# KiCad board CM4IOUSB3.kicad_pcb (continued)
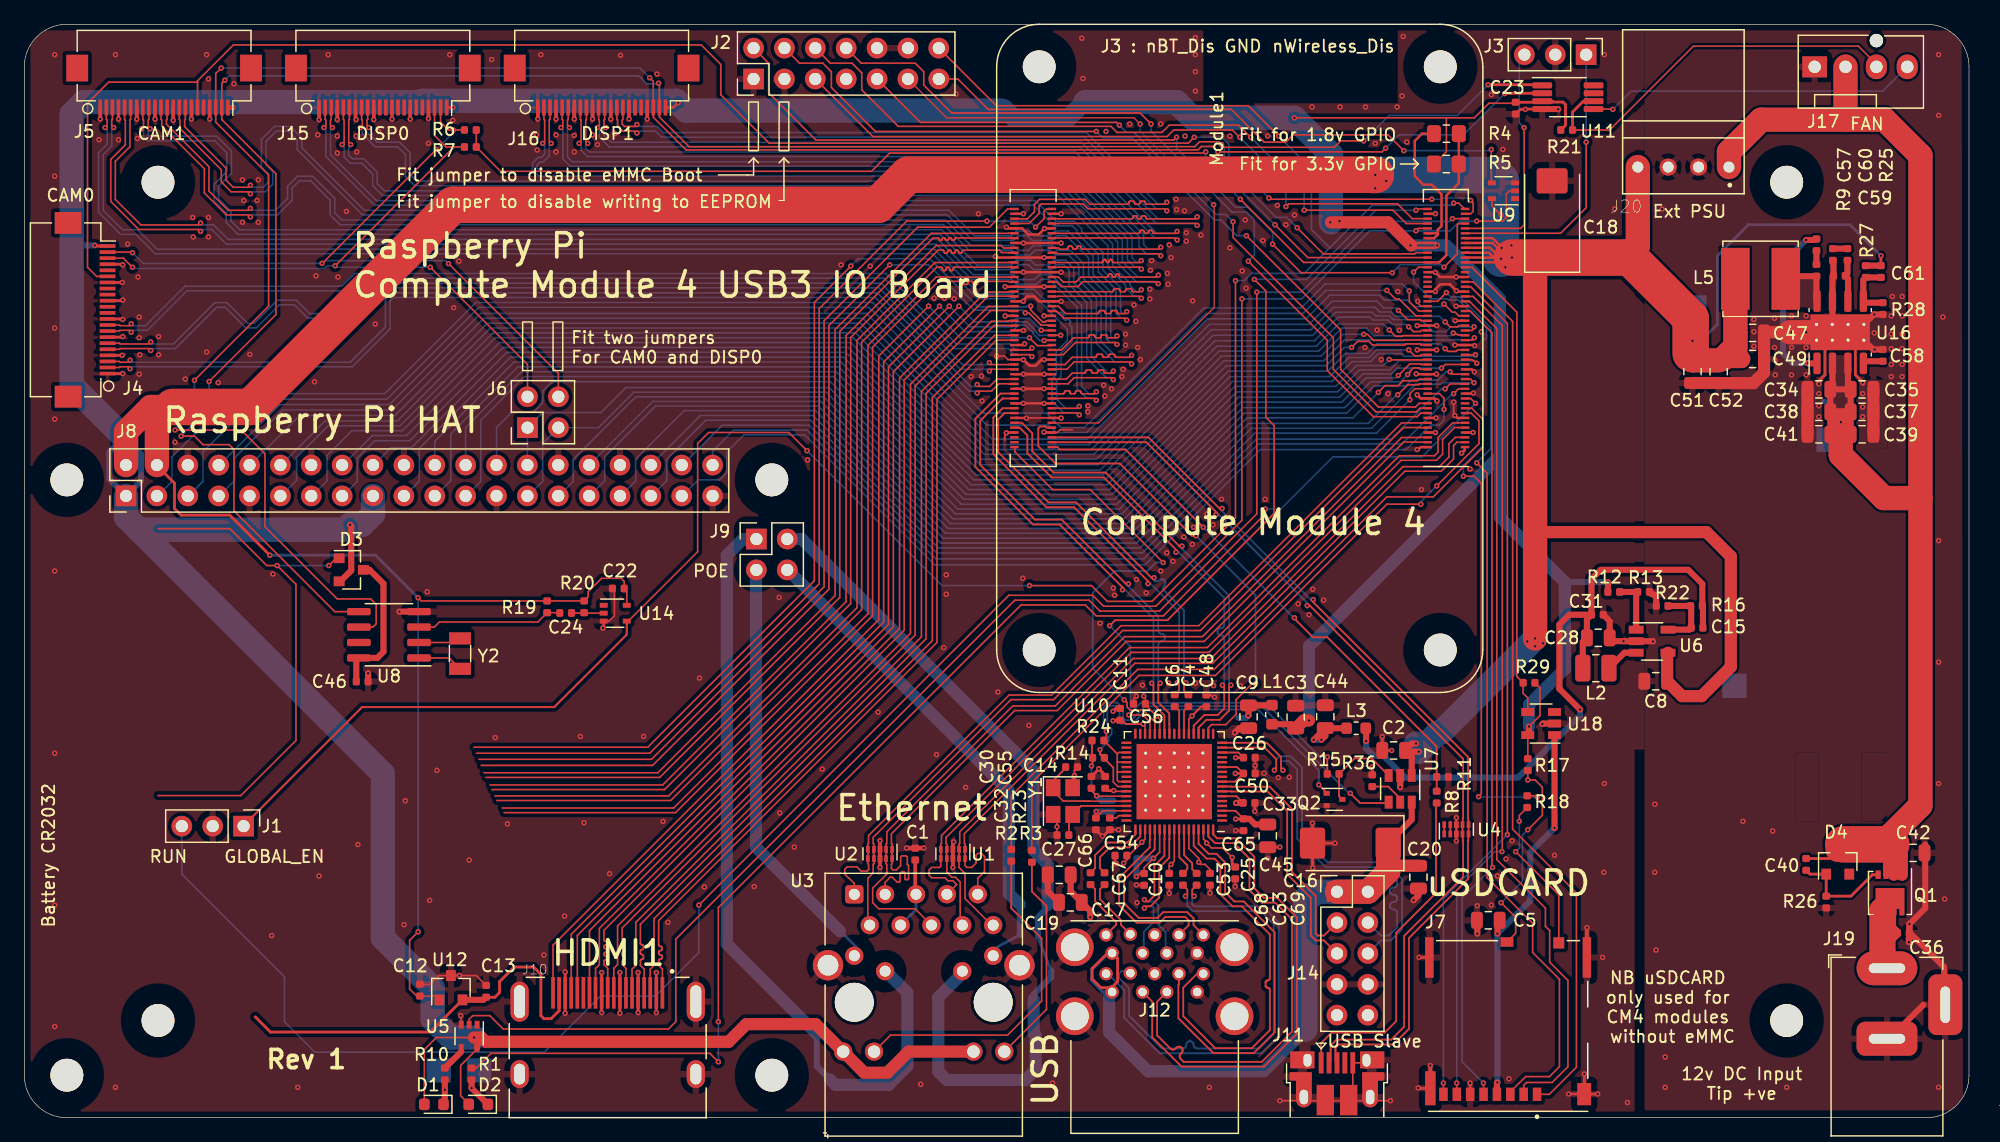
[diagram p0: board, top side]
## Nets (continued)
/xHCI-USB3/PD3_P: J14.5 U10.7
/xHCI-USB3/PD4_N: J14.4 U10.17
/xHCI-USB3/PD4_P: J14.6 U10.16
/xHCI-USB3/PEXTX_N: C6.1 U10.25
/xHCI-USB3/PEXTX_P: C4.1 U10.24
/xHCI-USB3/PWR: Q2.3 R15.2 U7.3
/xHCI-USB3/SSRX1_N: J12.B5 U10.56
/xHCI-USB3/SSRX1_P: J12.B6 U10.55
/xHCI-USB3/SSRX2_N: J12.A6 U10.65
/xHCI-USB3/SSRX2_P: J12.A5 U10.64
/xHCI-USB3/SSTX1_N: C67.1 J12.B8
/xHCI-USB3/SSTX1_P: C66.1 J12.B9
/xHCI-USB3/SSTX2_N: C69.1 J12.A9
/xHCI-USB3/SSTX2_P: C68.1 J12.A8
Net-(BT1-Pad1): D3.1
Net-(C1-Pad1): C1.1 U3.4 U3.5
Net-(C14-Pad1): C14.1 U10.47 Y1.1
Net-(C15-Pad1): C15.1 C28.1 C31.1 L2.2 L3.1 R16.1
Net-(C15-Pad2): C15.2 R16.2 R22.1 U6.5
Net-(C24-Pad1): C24.1 R20.1 U14.2
Net-(C27-Pad1): C27.1 U10.48 Y1.3
Net-(C36-Pad1): C36.1 J19.1 Q1.5
Net-(C40-Pad2): C40.2 D4.2 Q1.4 R26.1
Net-(C46-Pad1): C46.1 D3.3 U8.8
Net-(C57-Pad1): C57.1 R9.2
Net-(C57-Pad2): C57.2 U16.1
Net-(C58-Pad1): C58.1 U16.4
Net-(C59-Pad1): C59.1 R25.1 U16.6
Net-(C60-Pad1): C60.1 R25.2
Net-(C61-Pad2): C61.2 R27.2 R28.1 U16.5
Net-(D1-Pad1): D1.1 R10.1 TP5.1
Net-(D2-Pad1): D2.1 R1.1 TP3.1
Net-(J2-Pad13): J2.13 U9.4
Net-(J7-Pad9): J7.9 R18.2
Net-(J7-Pad10): J7.10 R17.2
Net-(J11-Pad1): J11.1 R8.1
Net-(J17-Pad3): J17.3 R21.1 U11.6
Net-(J17-Pad4): J17.4 U11.5
Net-(L2-Pad1): L2.1 U6.3
Net-(L5-Pad1): L5.1 R9.1 U16.8
Net-(Module1-Pad21): Module1.21 R1.2
Net-(R2-Pad1): R2.1 U3.16
Net-(R3-Pad1): R3.1 U3.18
Net-(R10-Pad2): R10.2 U5.4
Net-(R12-Pad2): R12.2 R13.1 U6.1
Net-(R23-Pad1): R23.1 U10.50
Net-(R36-Pad1): R36.1 U7.5
Net-(U4-Pad1): U4.1 U4.10
Net-(U4-Pad2): U4.2 U4.9
Net-(U8-Pad1): U8.1 Y2.2
Net-(U8-Pad2): U8.2 Y2.1

Pads without a net: J4 11 12 14 15 18 MP; J5 18 MP; J10 14; J11 4; J14 9 10; J15 11 12 14 15 17 18 MP; J16 17 18 MP; Module1 19 64 68 70 72 73 104 106; U5 1; U8 7; U9 1; U10 1 2 4 5 10 11 13 14 18 20 26 33 34 35 36 38 40 42 51; U11 7 8; U14 1; U18 3

## Via types
v1: diameter 0.45, hole 0.2, Top to Bottom, 740 vias

## Routing (per net, layer and track width the routed paths; a pad name or vN(x,y) marks a point on that pad's centre or on a via; arc(x,y) is an arc through that point)
/+3.3v: length 432.1
  Top w0.13: 117,82.3 v1(104.5,82.3) ; 117,82.3 119.3,82.3 120.5,83.5 122.62,83.5 ; 117,82.3 117,79.5 116,78.5 ; 124.28,35.8 124.7,35.39 124.7,33.1 v1(123.8,32.2) ; 36.56,1.14 35.9,1.8 35.9,4.3 37.11,5.51 ; U18.5 123.7,29.55 ; v1(37,6.6) 33.9,6.6 32.91,5.61 D1.2
  Top w0.2: v1(53.8,83.55) 53.39,83.15 J16.22 ; 116.1,71.6 116.3,71.8 116.1,72 114.3,72 114.1,71.8 114.1,71.7 114.2,71.6 116.1,71.6
  Top w0.23: J4.22 5.85,71.75 v1(5.8,71.8) ; R21.2 126.8,81.69 126.8,83.4 126.6,83.6 125.78,83.6 125.7,83.67 U11.3 ; J15.22 v1(35.25,83.15) ; C23.1 124.8,83.58
  Top w0.3: J5.22 v1(17.15,83.15)
  Top w0.5: L1.1 104.25,32.39 C3.1 ; 26,44.15 26.9,45.05 26.9,48.7 v1(26.8,48.8) ; U5.5 37.25,6.19 ; v1(123.8,32.2) 123.8,31.6 ; R12.1 v1(130.29,44.09)
  Top w1: v1(37,6.6) 37.6,6.6 37.95,6.25 57.95,6.25 59.4,7.7 65.11,7.7 U3.15 69.11,3.7 71,3.7 72.74,5.44 U3.17 ; C3.1 105.26,32.7 v1(105.7,32.7) ; 107.5,73.7 112.2,73.7 114.1,71.8
  Bottom w0.5: v1(5.8,71.8) 4.2,71.8 3.9,72.1 ; v1(130.29,44.09) 126.76,44.09 126.75,44.08 ; 7,54.8 8.2,56 9.6,54.6 9.6,52.41 J8.1 7,52.55 7,54.8
  Bottom w1: 121.4,54.5 121.4,49.42 126.75,44.08 126.75,36.95 123.8,34 v1(123.8,32.2) ; 121.4,54.5 105.7,38.8 v1(105.7,32.7) ; 121.4,54.5 121.4,67.4 117,71.8 114.1,71.8
  Bottom w1.5: 80.6,83.1 81.4,82.3 85.9,82.3 87.2,83.6
  Bottom w2: 9.4,48.4 8.37,49.43 J8.1 ; 9.4,48.4 26.4,48.4 v1(26.8,48.8) 27.8,48.8 28.69,49.69 J8.17 ; 9.4,48.4 29.5,28.3 29.5,14.8 33.6,10.7 33.6,8.1 35.1,6.6 v1(37,6.6) ; 32.39,83.6 24.2,83.6 ; 8.2,56 3.9,60.3 3.9,82.6 4.9,83.6 24.1,83.6 24.1,83.6 ; 32.6,83.6 32.71,83.7 53.65,83.7 v1(53.8,83.55) 54.45,82.9 80.4,82.9 ; 87.3,83.6 94.8,83.6 96.1,82.3 v1(104.5,82.3) 107.5,79.3 107.5,73.7
  vias: v1(107.45,73.7) v1(108.2,73.8) v1(114.05,71.8) v1(116.25,71.8)
/+5v: length 399.1
  Top w0.13: U9.5 120.75,75.05 v1(121.5,74.3) ; 33.85,10 32.56,10 ; v1(32.4,42.8) 32.66,42.54 R19.2 R20.2 46.4,42.87 46.4,43.3 47.5,44.4 49.1,44.4 49.36,44.14 C22.1 ; U14.5 49.57,43.35 ; 32.28,10.01 31.7,10.6 31.7,14.6 v1(32.4,15.3)
  Top w0.2: 121.4,70.8 120.6,71.6 118.5,71.6 ; 118.5,71.2 120.5,71.2 120.9,70.8 ; v1(122.4,70.8) 122,70.4 118.5,70.4 ; v1(122.4,70.8) 118.5,70.8 ; v1(122.4,70.8) 120.8,72.4 118.5,72.4 ; 118.5,72 120.8,72 122,70.8
  Top w0.23: 10.91,53.67 12.35,52.23 12.35,50.15 12.9,49.6 16.9,49.6 v1(20.2,46.3) ; C61.1 v1(152.75,70.95)
  Top w0.5: 114.15,28.18 114.15,29.68 C2.1 114.17,30.8 v1(114.5,30.8) ; C61.1 R27.1 ; v1(114.72,30.12) 113.71,30.12
  Top w1: 124.3,48.2 138.4,48.2 140.4,46.2 140.4,37.1 138,34.7 136.39,34.7 C8.1 135.16,38.2 135.24,38.28 ; C49.1 C47.1 140.78,65.09
  Top w1.5: C49.1 139.51,62.45
  Top w2: L5.2 140.78,63.47 139.75,62.45 ; C51.1 v1(137.25,63.95) ; 131.8,70.8 132.75,71.75 J20.4 ; C52.1 137.26,62.34 ; 124.3,70.8 v1(124.3,39.45) ; J8.2 8.37,56.47 10.4,58.5 12.2,58.5 10.91,57.21 J8.4
  Top w3: 111.2,77.6 110.88,77.6 110.86,77.62 72.72,77.62 70.24,75.14 35.26,75.14 18.62,58.5 12.2,58.5 ; 137.1,62.9 137.1,65.8 132.1,70.8 v1(122.4,70.8)
  Bottom w0.13: 32.4,42.85 v1(32.4,15.3)
  Bottom w0.23: v1(152.75,70.95) 150.2,73.5 141.85,73.5 139.3,70.95 139.3,65.3 137.95,63.95 v1(137.25,63.95) 137.25,65.05 137.35,65.15 137.35,66.75 ; v1(20.2,46.3) 28.9,46.3 v1(32.4,42.8)
  Bottom w2: v1(124.3,39.45) 116.55,31.7 116.3,31.7 v1(114.72,30.12) 114.72,30.57 v1(114.5,30.8)
  Bottom w3: 111.2,77.6 121,77.6 121.5,77.1 v1(121.5,74.3) v1(121.5,70.7)
  vias: v1(111.15,78.7) v1(111.15,77.6) v1(111.15,76.5) v1(112.05,78.3) v1(112.05,77.1) v1(121.55,71.6) v1(121.85,70) v1(122.35,71.8) v1(123.65,39.2) v1(124.3,38.8) v1(124.95,39.05)
/+12v: length 123.9
  Top w0.23: D4.1 148.49,21.34 C40.1
  Top w0.5: 150.26,58.15 150.26,56.3 148.64,56.3 ; 150.26,58.15 C35.1 C34.1 C38.1 C41.1 ; 150.26,58.15 148.64,58.15 ; U16.3 150.03,60.58 ; Q1.3 153.18,22.07 153.6,22.5 ; 148.76,62.09 148.76,59.83
  Top w1: Q1.1 154.47,21.62 153.6,22.5 ; 149.84,82.26 149.95,82.15 ; Q1.2 153.82,22.28
  Top w2: J20.1 140.25,79.5 142.9,82.15 153.05,82.15 156,79.2 156,51 ; 156,51 156,25.7 153.6,23.3 153.6,22.5 ; 156,51 153,51 149.45,54.55 v1(149.45,57.25) ; D4.1 149.65,22.5 ; J17.2 149.84,82.26
  Top w3: 153.6,22.5 149.65,22.5
  Bottom w0.23: v1(149.45,57.25) 149.45,56.8
/CM4_GPIO ( Ethernet, GPIO, SDCARD)/+1.8v: length 12.9
  Top w0.2: 116.3,72.8 116.3,73.1 116.6,73.4 116.6,76 115.8,76.8 115.1,76.8 114.4,77.5 114.4,80.4 115,81 R4.1 ; 116.3,72.8 116.3,72.7 116,72.4 115.42,72.4 ; 116.3,72.8 115.42,72.8
/xHCI-USB3/A1.05v: length 42.8
  Top w0.13: U10.63 95.81,22.16 96.62,21.35 v1(96.62,21.03) 96.8,20.85 97.15,20.85 97.55,20.45 C53.1 ; v1(92.1,34.7) 92.23,34.57 C56.1 ; C54.1 90.71,21.21 v1(90.45,20.95) ; 90.85,21.57 v1(91.95,22.68) 92.21,22.94 U10.54 ; U10.60 94.61,21.11 v1(94.35,20.85) 94.2,20.7 C63.1 ; U10.45 89.69,26.86 v1(89.62,26.93) 89.14,26.93 ; U10.29 93.41,32.81 v1(93.15,33.08) 92.23,33.99
  Top w0.147: C65.1 99.65,25.26 U10.3 ; U10.12 99.78,28.86 C50.1 99.63,27.66 U10.9 ; 99.67,24.6 v1(99.66,24.59)
  Top w0.23: v1(89.62,26.93) 89.12,26.93 88.93,27.12 ; C65.1 100.3,24.59 v1(99.66,24.59) ; v1(99.64,28.34) C50.1
  Top w0.5: v1(106.72,31.1) 107.04,31.42 C44.1 ; L3.2 107.06,32.06 ; 107.04,32.06 v1(106.09,31.1) ; C65.1 100.8,24.6 101.26,24.14 C45.1
  In2.Cu w1: 100.06,30.47 103.14,33.56 106.11,33.56 106.56,33.11 106.56,31.57 v1(106.09,31.1) v1(106.72,31.1)
  Bottom w0.5: v1(106.72,31.1) v1(106.09,31.1)
/xHCI-USB3/A3.3v: length 43.7
  Top w0.13: C10.1 91.75,20.1 v1(91.5,19.85) ; U10.46 88.26,26.46 v1(88.22,26.5) 87.8,26.93 ; U10.32 92.21,32.24 v1(92.05,32.4) ; 92.12,20.11 92.12,20.57 v1(92.9,21.35) 93.41,21.86 U10.57 ; v1(99.38,21.43) 98.6,22.2 97.68,22.2 v1(97.28,22.6) 97.28,22.68 97.01,22.94 U10.66 ; 96.65,33.67 96.07,33.1 v1(96.07,33.08) 95.81,32.81 U10.23 ; U10.49 88.75,25.26 C32.1
  Top w0.147: 96.54,33.56 96.81,33.83 C48.1 ; 96.83,33.83 v1(96.07,33.08) ; C32.1 88.16,25.16 v1(88.2,25.2) ; v1(92.05,32.4) 90.65,32.4 90.34,32.72 ; v1(89.57,32.67) 90.11,32.67 ; v1(87.8,28.95) 87.89,29.04 R14.1 ; R24.1 87.85,29.67 ; U10.6 99.73,26.46 C33.1 ; C26.1 99.88,30.06 U10.15
  Top w0.23: 90.11,32.67 C11.1 89.62,32.72 v1(89.57,32.67) ; C25.1 99.38,20.88 v1(99.38,21.43) ; 87.8,27.12 87.8,26.93 ; v1(99.66,29.64) C26.1
  Top w0.5: C33.1 99.71,25.91 v1(99.7,25.9) ; v1(100.7,33.1) 100.72,33.12 C9.1 102.62,33.94
  Bottom w0.147: v1(87.8,28.95) 87.8,26.93 v1(88.22,26.5)
  Bottom w0.5: v1(100.7,33.1) 100.5,32.9 99.9,32.9 ; v1(88.2,25.2) 89.6,25.2 ; 89.6,26.1 88.62,26.1 v1(88.22,26.5) ; v1(91.5,19.85) 91.5,21.35 v1(92.9,21.35)
/xHCI-USB3/VBUS: length 78.4
  Top w0.23: 89.5,10.75 89.95,11.2 89.95,13.1 J12.B1 ; 89.12,13.55 87.85,12.28 87.85,11.43 88.57,10.7 89.15,10.7 J12.A1
  Top w0.5: C19.1 86.09,18.64 C17.1 87.7,17.03 v1(87.7,16.5) ; C16.1 114.15,24.54 U7.6
  Top w1: 112.21,20.27 112.68,20.74 C20.1
  Top w2: C16.1 112.21,20.27 J14.2 J14.1
  In2.Cu w0.23: J12.A1 88.95,10.35 87.9,11.4 87.9,11.95 J12.B1 89.05,13.55 88.2,14.4 88.2,14.6 88.1,14.7 88.1,15.1 87.7,15.5 v1(87.7,16.5)
  Bottom w0.23: 89.2,13.55 87.82,12.18 87.82,11.25 88.72,10.35 J12.A1
  Bottom w1: J12.A1 89.25,10.1 89.25,7.03 92.45,3.82 101.97,3.82 105.4,7.25
  Bottom w2: J14.2 J14.1 106.3,18.6 106.02,18.32 105.69,18.32 105.4,18.03 105.4,7.25
GND: length 821.3
  Top w0.13: v1(80.8,56.37) 80.68,56.24 80.68,55.75 ; v1(118.95,2.85) 118.95,1.44 ; U12.3 37.19,11.7 38,10.88 ; v1(91.5,19.18) 91.54,19.13 C10.2 ; U14.3 48.11,40.88 48.55,41.31 48.55,43.4 ; 119,61.6 119.1,61.6 ; C63.2 v1(94.2,18.47) ; C53.2 v1(97.55,18.5) ; C54.2 89.74,21.01 v1(89.82,20.93) ; v1(119.22,59.64) 119.26,59.6 119.3,59.6 ; v1(35.9,8.4) 35.95,8.35 U5.3 ; 88.17,23.7 v1(88.7,23.18) 89.23,23.7 ; 115.42,66.8 114.89,66.8 114.64,67.05 v1(114.64,67.2) ; v1(80,62.69) 80.64,62.69 80.93,62.4 81.5,62.4 ; 110.22,4.52 J11.5 109.3,1.79 ; v1(82.45,57.58) 82.47,57.6 84.58,57.6 ; v1(35.8,11.7) 34.1,11.7 33.39,10.99 32.3,10.99 ; v1(116.2,63.2) 116.1,63.2 ; v1(112.4,1.4) v1(103.3,1.4) ; v1(97.93,34.61) 97.8,34.61 97.62,34.8 C48.2 ; 87.8,28.12 v1(88.4,28.72) 88.4,28.63 88.95,28.09 ; 84.58,56.4 85,56.4 85.22,56.62 86.25,56.62 ; v1(90.03,23.7) 90.02,23.7 R23.2 ; v1(91.5,34.7) 91.26,34.46 C56.2 ; C25.2 v1(99.62,19.03) ; v1(117.7,57.8) 117.6,57.9 v1(117.6,58.9) ; 82.2,63.6 v1(82.3,63.7)
  Top w0.147: C50.2 101.27,28.98 v1(101.26,28.99) 101.27,29 C26.2 ; C33.2 101.25,25.22 v1(101.24,25.21) ; C14.2 86.4,28.61 v1(86.4,28.16) 86.25,28.01 Y1.4 ; v1(99.66,23.64) 99.67,23.63 C65.2 ; C27.2 v1(84.97,23.95) 84.97,24.65
  Top w0.2: v1(116.18,61.2) 116.18,61.2 114.54,61.2 v1(114.52,61.23) ; 115.42,68 v1(116.1,68) 116.1,68.2 116.5,68.6 117.3,68.6 117.3,68.59 v1(117.83,68.06) 117.89,68 118.5,68 ; 84.6,72 85.29,72 v1(85.3,71.99) ; v1(83.9,66.01) 83.91,66 84.6,66 ; 81.5,61.2 v1(82.2,61.2) ; 84.6,73.2 83.95,73.2 v1(83.94,73.18) 83.45,72.7 82.6,72.7 82.1,73.2 80.9,73.2 v1(80.8,73.3) ; 81.5,60 v1(82.2,60) ; 84.6,67.2 85.29,67.2 v1(85.3,67.19) ; 84.58,68.4 v1(83.9,68.4) v1(80.7,68.4) ; v1(117.7,57.8) 117.9,57.6 118.5,57.6 ; 119,61.6 118.5,61.6 ; v1(85.3,57.59) 85.29,57.6 84.6,57.6 ; v1(80.8,56.37) 80.83,56.4 81.5,56.4 ; v1(119.3,61.4) 119.1,61.6 ; 118.5,56.4 v1(119.19,56.4) ; 84.6,69.6 85.29,69.6 v1(85.3,69.59) ; v1(82.2,74.41) 82.19,74.4 81.5,74.4 ; v1(114.6,63.2) v1(116.2,63.2) ; 81.5,66 v1(80.7,66) ; 84.6,56.4 83.93,56.4 v1(83.9,56.43) ; 81.5,72 v1(82.2,72) 84.58,72 ; v1(114.6,55) 114.7,55 114.9,55.2 115.42,55.2 ; v1(114.6,65.2) v1(116.2,65.2) ; 118.5,59.6 119.18,59.6 v1(119.22,59.64) ; 81.65,63.6 82.2,63.6 ; 84.58,69.6 v1(82.2,69.6) 81.5,69.6 ; 81.5,64.8 v1(82.2,64.8) ; 118.5,65.6 117.74,65.6 v1(117.73,65.61) ; v1(79.9,70.9) 80,70.8 v1(83.9,70.8) 84.6,70.8 ; 118.5,66.8 v1(117.8,66.8) ; v1(117.82,24.69) v1(117.82,22.79) ; v1(116.1,74.42) 116.08,74.4 115.42,74.4 ; v1(117.7,63.6) 119.28,63.6 v1(119.33,63.55) ; 81.5,67.2 v1(82.2,67.2) 82.2,67.3 82.5,67.6 83.1,67.6 83.5,67.2 84.58,67.2 ; 115.42,57.6 116.1,57.6 ; 118.32,54.75 118.5,54.93 118.5,55.2 ; 84.58,58.8 83.91,58.8 v1(83.9,58.79) ; 115.42,69.6 116.08,69.6 v1(116.1,69.58) 116.48,69.2 v1(117.8,69.2) 118.5,69.2 ; v1(82.45,57.58) 82.43,57.6 81.5,57.6 ; 84.58,61.2 v1(83.9,61.2) ; 84.6,74.4 85.29,74.4 v1(85.3,74.41) ; 81.5,58.8 83.9,58.8 ; v1(116.23,58.99) 116.02,59.2 114.9,59.2 v1(114.6,59.5) ; 81.5,62.4 82.19,62.4 v1(82.2,62.39) 82.49,62.1 82.5,62.1 82.7,61.9 83.2,61.9 83.7,62.4 v1(83.9,62.4) 84.6,62.4 ; 84.59,60.01 v1(83.9,60.01) ; 115.42,56.4 v1(116.1,56.4) ; U14.3 47.67,40.37
  Top w0.23: C33.2 101.24,25.9 v1(101.24,25.21) ; J15.13 v1(30.25,82.2) ; v1(114.68,2.45) 114.71,2.43 J7.11 ; v1(82.2,60) 83.89,60 v1(83.9,60.01) ; v1(111.73,31.37) C2.2 112.49,30.23 v1(112.5,30.22) ; v1(86.4,28.16) 86.4,27.31 Y1.4 ; v1(52,8.65) v1(52,11.95) ; v1(47.5,8.65) v1(47.5,11.95) ; 151.3,60.35 151.3,60.5 150.65,61.15 150.65,63.4 ; 148.15,63.4 148.15,61.15 147.55,60.55 147.55,60.35 ; C11.2 89.81,33.69 v1(89.57,33.45) ; C23.2 123.09,83 v1(123.5,83) 123.53,83.03 U11.4 ; v1(8.1,70.2) 8.05,70.25 J4.19 ; J7.11 129.44,1.94 v1(129.45,1.95) ; v1(128.35,3.6) 128.35,1.95 ; v1(49,8.6) v1(49,11.95) ; C55.2 88.93,28.2 v1(88.4,28.72) 88.4,28.69 C30.2 87.8,28.12 ; v1(127.05,1.95) 128.33,1.95 ; J7.6 118.96,2.84 v1(118.95,2.85) ; J4.1 v1(8.1,61.25) ; C16.2 105.99,24.24 v1(105.97,24.25) ; C16.2 v1(107.82,22.6) ; C16.2 105.99,20.59 v1(106,20.57) ; J4.16 v1(8.05,68.75) ; 110.9,28.22 v1(110.9,28.88) ; J4.4 v1(8.05,62.75) ; J7.11 114.76,13.19 v1(114.75,13.2) ; R23.2 88.78,23.18 v1(88.7,23.18) 88.69,23.18 C32.2 ; v1(103.3,22.28) 102.31,22.28 ; 84.97,24.65 Y1.2 ; v1(82.2,61.2) v1(83.9,61.2) ; J5.4 v1(7.75,82.2) ; J4.7 8.05,64.25 ; J4.13 8.05,67.25 ; J4.10 8.05,65.75 ; v1(50.5,8.65) v1(50.5,11.95) ; v1(44.5,8.6) v1(44.5,12)
  Top w0.3: 115.68,1.93 v1(115.68,4.3) ; v1(72.6,22.2) 72.62,22.19 C1.2 73.72,22.19 73.74,22.2 v1(74,22.2) ; J5.16 v1(13.75,82.2) ; J5.1 v1(6.25,82.2) ; J15.4 v1(25.75,82.16) ; v1(76.4,20.6) U1.8 U1.3 76.4,22.64 v1(76.47,22.71) ; J16.4 v1(43.75,82.2) ; J15.10 v1(28.75,82.16) ; J15.7 27.25,82.21 ; J16.10 v1(46.75,82.2) ; J5.19 v1(15.25,82.2) ; J16.1 v1(42.25,82.2) ; J16.19 v1(51.25,82.2) ; v1(70.4,20.6) U2.8 v1(70.4,22.8) ; J15.19 v1(33.25,82.24) ; J5.7 v1(9.25,82.2) ; 128.56,12.69 v1(128.56,15.65) ; J16.13 v1(48.25,82.2) ; J16.7 v1(45.25,82.2) ; J5.13 v1(12.25,82.1) ; J16.16 v1(49.75,82.2) ; J15.1 v1(24.25,82.15) ; J15.16 v1(31.75,82.2) ; J5.10 v1(10.75,82.2)
  Top w0.5: C9.2 99.96,32.06 v1(99.59,31.7) ; 148.76,65.28 148.76,69.22 ; C17.2 84.21,18.64 C19.2 ; v1(134,39.2) 133.97,39.22 U6.2 v1(131.57,39.22) 130.71,39.22 C28.2 130.44,40.87 C31.2 ; C59.2 148.85,70.52 ; U8.4 v1(30.86,41.66) ; v1(155.05,14.45) 155.05,14.75 155.09,14.78 C36.2 155.09,15.62 155.1,15.63 v1(155.1,15.95) 156.4,17.25 156.4,22.5 ; C46.2 v1(28.28,36.58) ; R22.2 134.26,42.83 134,43.1 133.88,43.1 R13.2 ; 113.2,28.18 v1(113.2,27.2) ; 157.95,9.3 157.95,12.4 155.15,15.2 ; v1(119.55,15.15) 119.55,16.21 ; 156.25,9.3 153.25,6.3 ; v1(126.2,83) 126.18,83.03 U11.4 ; R28.2 v1(152.22,66.11) 152.16,66.11 U16.9 ; U18.2 124.94,32.44 v1(124.9,32.4) ; C58.2 v1(152.24,63.23) 152.12,63.23 U16.9 ; v1(114.3,17.9) 114.7,18.3 C20.2
  Top w1: 143.19,64.65 v1(144.05,64.65) 145.25,64.65 ; C51.2 139.39,60.47 ; C34.2 C41.2 ; C52.2 142.26,60.46 143.14,61.34 C49.2 C47.2 ; C35.2 C39.2
  Top w2: U16.9 145.25,64.65
  In1.Cu w0.13: 30,55.2 29.95,55.15 29.95,49.85 29.9,49.8 ; 30,55.2 32.5,55.2 ; 30,55.2 27.4,55.2 ; 50.25,52.4 55.36,52.4 56.63,51.13 ; 50.25,52.4 42.66,52.4 ; 50.25,52.4 50.25,52.45 50.35,52.55 ; 14.7,52.4 14.7,49.9 14.6,49.8 ; 14.6,49.8 17.3,49.8 ; 14.6,49.8 12.2,49.8 ; 17.3,49.8 17.25,49.85 17.25,55.15 17.2,55.2 ; 17.3,49.8 19.9,49.8 ; 45.2,49.8 47.7,49.8 ; 45.2,49.8 45.25,49.85 45.25,55.15 45.2,55.2 ; 45.2,49.8 42.7,49.8 ; 47.7,49.8 47.75,49.85 47.75,55.15 47.7,55.2 ; 47.7,49.8 50.4,49.8 ; 35,49.8 35.05,49.85 35.05,55.15 35.1,55.2 ; 35,49.8 32.5,49.8 ; 35,49.8 37.6,49.8 ; 52.7,55.2 50.3,55.2 ; 52.7,55.2 52.85,55.05 52.85,49.85 52.9,49.8 ; 52.7,55.2 55.3,55.2 ; 50.3,55.2 50.35,55.15 50.35,49.85 50.4,49.8 ; 50.3,55.2 47.7,55.2 ; 19.9,55.2 19.85,55.15 19.85,49.85 19.9,49.8 ; 19.9,55.2 22.4,55.2 ; 19.9,55.2 17.2,55.2 ; 40.1,49.8 42.7,49.8 ; 40.1,49.8 40.1,55.2 ; 40.1,49.8 37.6,49.8 ; 42.7,49.8 42.66,49.84 42.66,52.4 ; 49.01,53.67 49.01,52.47 49.08,52.4 ; 42.66,52.4 27.45,52.4 27.4,52.45 23.6,52.4 ; 42.66,52.4 42.66,55.14 42.6,55.2 ; 42.66,52.4 43.93,53.67 ; 22.4,55.2 22.35,55.15 22.35,52.45 ; 22.4,55.2 24.9,55.2 ; 18.6,52.4 18.53,52.33 18.53,51.13 ; 35.1,55.2 37.7,55.2 ; 35.1,55.2 32.5,55.2 ; 27.4,49.8 27.4,55.2 ; 27.4,49.8 24.8,49.8 ; 27.4,49.8 29.9,49.8 ; 17.2,55.2 12.2,55.2 ; 19.9,49.8 22.4,49.8 ; 42.6,55.2 40.1,55.2 ; 42.6,55.2 45.2,55.2 ; 40.1,55.2 37.7,55.2 ; 32.5,55.2 32.55,55.15 32.55,49.85 32.5,49.8 ; 23.6,52.4 23.6,52.46 23.61,52.47 23.61,53.67 ; 23.6,52.4 7,52.4 ; 37.7,55.2 37.6,55.1 37.6,49.8 ; 12.2,55.2 7.4,55.2 7,54.8 7,52.4 ; 12.2,55.2 12.15,55.15 12.15,49.85 12.2,49.8 ; 27.4,55.2 24.9,55.2 ; 12.2,49.8 7.2,49.8 7,50 7,52.4 ; 22.35,52.45 22.4,52.4 ; 22.35,52.45 22.35,49.85 22.4,49.8 ; 47.7,55.2 45.2,55.2 ; 24.8,49.8 24.9,49.9 24.9,55.2 ; 24.8,49.8 22.4,49.8 ; 52.9,49.8 57.9,49.8 58.1,50 58.1,54.6 57.5,55.2 55.3,55.2 ; 52.9,49.8 50.4,49.8 ; 55.3,55.2 55.3,52.4 ; 29.9,49.8 32.5,49.8 ; 14.72,52.4 13.45,53.67 ; 31.3,52.4 31.23,52.47 31.23,53.67 ; 38.85,51.13 40.12,52.4 ; 39.95,52.4 40.1,52.55
  In1.Cu w0.2: 93,9.7 J12.B7
  In1.Cu w0.23: J2.12 73.94,86.8 ; 73.94,86.8 73.94,84.84 ; 73.94,86.8 76,86.8
  In1.Cu w0.5: J12.B4 99.09,13.55 ; J2.7 J2.10
  In2.Cu w0.13: 38.8,52.4 38.8,52.38 38.85,52.33 ; 38.8,52.4 38.9,52.4 ; 38.8,52.4 37.5,52.4 ; 12.2,55.05 12.25,55.1 14.7,55.1 ; 12.2,55.05 13.45,53.8 ; 12.2,55.05 12.2,52.47 12.15,52.42 ; 45.15,50.05 45.15,55.05 45.2,55.1 ; 35.1,52.4 35.05,52.35 35.05,50.15 35.2,50 ; 35.1,52.4 34.95,52.4 ; 35.1,52.4 37.5,52.4 ; 24.8,50 22.3,50 ; 24.8,50 27.5,50 ; 24.8,50 24.8,52.4 ; 22.3,50 22.3,52.4 ; 22.3,50 19.8,50 ; 17.3,55.1 14.7,55.1 ; 17.3,55.1 19.8,55.1 ; 17.3,55.1 17.25,55.05 17.25,52.65 17.2,52.6 17.2,50.1 17.3,50 ; 14.7,55.1 14.72,55.08 14.72,52.42 ; 34.95,52.4 34.95,52.75 35.1,52.9 35.1,55.1 ; 34.95,52.4 32.5,52.4 ; 34.95,52.4 35,52.35 ; 27.4,52.4 27.45,52.45 27.45,55.05 27.5,55.1 ; 42.65,52.4 55.9,52.4 56,52.5 57.6,52.5 58,52.9 58,54.5 57.4,55.1 55.3,55.1 ; 42.65,52.4 42.65,55.05 42.7,55.1 ; 42.65,52.4 38.9,52.4 ; 42.65,52.4 42.65,50.05 42.7,50 ; 31.2,52.4 31.2,52.5 31.23,52.53 31.23,53.67 ; 31.2,52.4 30,52.4 ; 31.2,52.4 32.5,52.4 ; 19.8,55.1 22.4,55.1 ; 19.8,55.1 19.8,52.4 ; 37.5,52.4 37.5,52.3 37.55,52.25 37.55,50.15 37.7,50 ; 37.5,52.4 37.5,55.1 ; 45.2,55.1 42.7,55.1 ; 45.2,55.1 47.8,55.1 ; 42.7,55.1 40,55.1 ; 30.1,50 30,50.1 30,52.4 ; 30.1,50 32.6,50 ; 30.1,50 27.5,50 ; 15.2,52.4 14.7,52.4 14.3,52.8 14.3,52.82 13.45,53.67 ; 15.2,52.4 19.8,52.4 ; 15.2,52.4 15.18,52.42 14.72,52.42 ; 19.8,52.4 19.8,50 ; 19.8,52.4 22.3,52.4 ; 40,55.1 37.5,55.1 ; 40,55.1 40.1,55 40.1,50.2 40.2,50.1 40.2,50 ; 37.5,55.1 35.1,55.1 ; 23.68,52.4 23.61,52.47 23.61,53.67 ; 14.7,50 12.2,50 12.15,50.05 12.15,52.42 ; 14.7,50 17.3,50 ; 14.7,50 14.72,50.02 14.72,52.42 ; 19.8,50 17.3,50 ; 50.3,55.1 50.3,50 ; 50.3,55.1 47.8,55.1 ; 50.3,55.1 52.8,55.1 ; 32.5,52.4 32.5,55.1 ; 32.5,52.4 32.5,50.1 32.6,50 ; 32.5,55.1 35.1,55.1 ; 32.5,55.1 30,55.1 ; 12.15,52.42 14.72,52.42 ; 52.9,50 50.3,50 ; 52.9,50 52.85,50.05 52.85,55.05 52.8,55.1 ; 52.9,50 55.3,50 55.3,52.55 55.35,52.6 55.35,55.05 55.3,55.1 ; 50.3,50 47.8,50 ; 22.4,52.4 22.4,55.1 ; 30,52.4 30,55.1 ; 30,52.4 24.9,52.4 ; 24.9,52.4 24.9,55.1 ; 24.9,52.4 24.8,52.4 ; 43.9,52.4 43.9,52.44 43.93,52.47 43.93,53.67 ; 47.8,55.1 47.8,50 ; 22.4,55.1 24.9,55.1 ; 27.35,52.4 27.4,52.35 27.4,50.1 27.5,50 ; 32.6,50 35.2,50 ; 22.3,52.4 24.8,52.4 ; 55.36,52.4 56.63,51.13 ; 42.7,50 47.8,50 ; 42.7,50 40.2,50 ; 18.53,51.13 18.53,52.33 18.6,52.4 ; 52.8,55.1 55.3,55.1 ; 40.2,50 37.7,50 ; 37.7,50 35.2,50 ; 48.9,52.4 49.01,52.51 49.01,53.67 ; 27.5,55.1 24.9,55.1 ; 27.5,55.1 30,55.1 ; 38.9,52.4 38.85,52.35 38.85,51.13
  In2.Cu w0.2: 93,9.5 J12.A7 J12.B7
  In2.Cu w0.23: 74,86.7 74,84.6 ; 74,86.7 73.8,86.9 73.8,86.94 J2.12 ; 74,86.7 74.2,86.7 74.3,86.8 75.9,86.8
  In2.Cu w0.5: J2.10 J2.7 ; J12.B4 99.09,13.55
  vias: v1(2.5,87.5) v1(2.5,77.5) v1(2.5,65) v1(2.5,57.5) v1(2.5,45) v1(2.5,30) v1(2.5,17.5) v1(2.5,7.5) v1(6.15,80.5) v1(7.5,87.5) v1(7.5,2.5) v1(7.75,80.5) v1(8.1,67.3) v1(8.1,65.7) v1(8.1,64.3) v1(8.5,71.9) v1(9.3,80.6) v1(9.35,69.2) v1(9.45,65.9) v1(9.45,64.2) v1(9.5,62.8) v1(9.45,61.2) v1(11.05,64.3) v1(11.05,62.8) v1(12.4,55.6) v1(13.25,60.8) v1(13.85,74.1) v1(13.9,72.5) v1(15,87.5) v1(15,63.03) v1(15.15,85.5) v1(15.15,74.1) v1(15.15,72.5) v1(15.95,60.5) v1(17.25,85.1) v1(17.95,77.2) v1(18.05,75.5) v1(17.95,73.7) v1(18.55,62.83) v1(19.25,77.2) v1(19.15,75.5) v1(19.25,73.7) v1(20.35,14.99) v1(20.45,44.75) v1(22.5,2.5) v1(23.88,60.58) v1(24,69.3) v1(24.15,80.9) v1(24.25,19.9) v1(25,87.5) v1(25.75,80.8) v1(25.75,79.4) v1(25.8,69.2) v1(26.5,74.6) v1(27.3,82.16) v1(27.3,80.8) v1(27.35,79.5) v1(27.45,22.49) v1(28.88,65.33) v1(29.15,81.2) v1(31.25,15.89) v1(31.35,26.09) v1(33.25,80.2) v1(33.15,43.29) v1(33.35,17.89) v1(33.95,28.59) v1(35,87.5) v1(35.25,82.1) v1(35.33,66.67) v1(35.75,70.5) v1(36.6,21.2) v1(38.45,87.1) v1(38.75,31.29) v1(39.75,24.19) v1(42.15,80.9) v1(42.2,79.66) v1(42.5,87.5) v1(42.75,13.39) v1(43.75,80.9) v1(43.75,79.5) v1(44.45,16.59) v1(45.25,80.85) v1(45.25,79.5) v1(45.75,31.39) v1(46.05,24.29) v1(46.75,80.9) v1(47.15,80.1) v1(47.6,40.3) v1(48.15,20.09) v1(48.6,81) v1(49.05,87.45) v1(50.95,31.39) v1(52.05,85.9) v1(52.55,24.39) v1(52.95,16.09) v1(55.55,36.19) v1(55.95,18.99) v1(60.05,19.03) v1(62.1,42.83) v1(62.15,25.09) v1(63.35,22.28) v1(64.45,54.15) v1(65.65,28.69) v1(67.2,70.2) v1(69.6,70.09) v1(70.25,33.39) v1(73.75,2.75) v1(74.85,67.45) v1(75.05,29.89) v1(75.7,67.45) v1(75.65,38.69) v1(75.85,44.69) v1(75.85,43.09) v1(76.5,67.4) v1(76.66,84.26) v1(77.45,27.19) v1(77.9,61) v1(78.5,74.4) v1(78.75,61.04) v1(78.8,59) v1(80.1,35.04) v1(82.2,58.8) v1(82.15,44.4) v1(82.65,32.29) v1(84.6,2.85) v1(87,88.85) v1(87.1,85.54) v1(87.5,58.6) v1(87.5,58.1) v1(88.5,40.7) v1(88.8,60.3) v1(88.9,59.4) v1(89,81.18) v1(89.45,60) v1(89.6,43.6) v1(89.7,43) v1(90.3,61) v1(90.4,61.6) v1(90.6,64.5) v1(90.6,63.6) v1(90.95,81.8) v1(91.3,66.9) v1(91.45,65.55) v1(91.5,44.3) v1(91.6,63.4) v1(91.55,17.7) v1(91.82,62.4) v1(92,35.6) v1(92.3,43.2) v1(92.6,68.2) v1(92.6,67.4) v1(92.65,69.75) v1(92.75,70.55) v1(93.5,81.8) v1(93.5,45) v1(94,46.5) v1(94.05,69.5) v1(94.1,68.6) v1(94.2,71.85) v1(94.15,35.76) v1(94.35,70.8) v1(94.5,45.8) v1(94.75,75.6) v1(94.8,74.75) v1(95.45,74.65) v1(95.4,47.8) v1(95.5,80.8) v1(95.6,72.85) v1(95.6,72.15) v1(96.12,67.25) v1(96.1,47.2) v1(96.2,48.6) v1(96.35,88.9) v1(96.35,87.5) v1(96.35,86.1) v1(96.35,84.5) v1(96.35,35.76) v1(96.8,72.65) v1(97.3,49.7) v1(97.5,2.5) v1(97.8,48.8) v1(97.85,35.56) v1(98.5,50.9) v1(99.2,80.8) v1(99.2,71.6) v1(100.05,35.56) v1(100.2,69.7) v1(100.45,73.9) v1(100.53,68.28) v1(101.9,72.2) v1(102,28.35) v1(102.1,50.9) v1(102.3,80.8) v1(102.32,21.35) v1(103.1,75.1) v1(103.18,28) v1(103.8,73.5) v1(104.07,28.03) v1(104.5,74.3) v1(104.8,42.3) v1(105.7,41.4) v1(105.95,83.2) v1(106,43.5) v1(106.9,42.6) v1(108.25,83.2) v1(110.35,83.2) v1(110.3,63.4) v1(111.15,80.2) v1(111.3,64.84) v1(111.65,62.4) v1(112.2,59.6) v1(112.95,83.2) v1(113,68) v1(113.13,64.81) v1(113.35,84.1) v1(113.45,89) v1(113.75,80.3) v1(114.1,49.97) v1(114.95,51.7) v1(116.15,57.6) v1(118.25,54.7) v1(118.95,53.4) v1(119.55,17.45) v1(119.88,64.69) v1(120.7,84.2) v1(120.7,17.5) v1(121.2,19.9) v1(121.65,79.7) v1(121.9,21.3) v1(122.15,3.2) v1(122.4,22.8) v1(125.9,21.6) v1(129.85,13.2) v1(129.95,20.2) v1(130,87.5) v1(130,27.5) v1(130.85,74.8) v1(131.9,1.25) v1(134.15,25.8) v1(134.15,20.2) v1(134.25,13.8) v1(134.75,74.8) v1(135,5) v1(135,2.5) v1(141.4,24.4) v1(142.3,65.7) v1(142.3,64.7) v1(142.3,63.5) v1(143.85,23.6) v1(144,65.8) v1(144,63.4) v1(144.05,62.34) v1(144.05,61.15) v1(145,2.5) v1(145.4,66) v1(145.4,64.65) v1(145.4,63.4) v1(145.4,61.14) v1(146.6,66) v1(146.6,64.65) v1(146.6,63.4) v1(146.6,61.14) v1(147.65,60.4) v1(147.65,59.6) v1(147.65,58.6) v1(147.65,57.7) v1(151.25,60.5) v1(151.25,59.6) v1(151.25,58.5) v1(151.25,57.7) v1(152.2,64.6) v1(153.6,66) v1(153.6,64.5) v1(153.6,63.3) v1(153.6,62) v1(153.6,61) v1(153.7,67.6) v1(154.5,67.6) v1(154.5,66) v1(154.5,64.5) v1(154.5,63.3) v1(154.5,62) v1(154.5,61) v1(157.5,87.5) v1(157.5,82.5) v1(157.5,47.5) v1(157.5,37.5) v1(157.5,27.5) v1(157.5,2.5) v1(157.85,65.9) v1(158,18)
